# Altium PCB CFD_V1.03.PcbDoc (part 4 of 10) (continued)
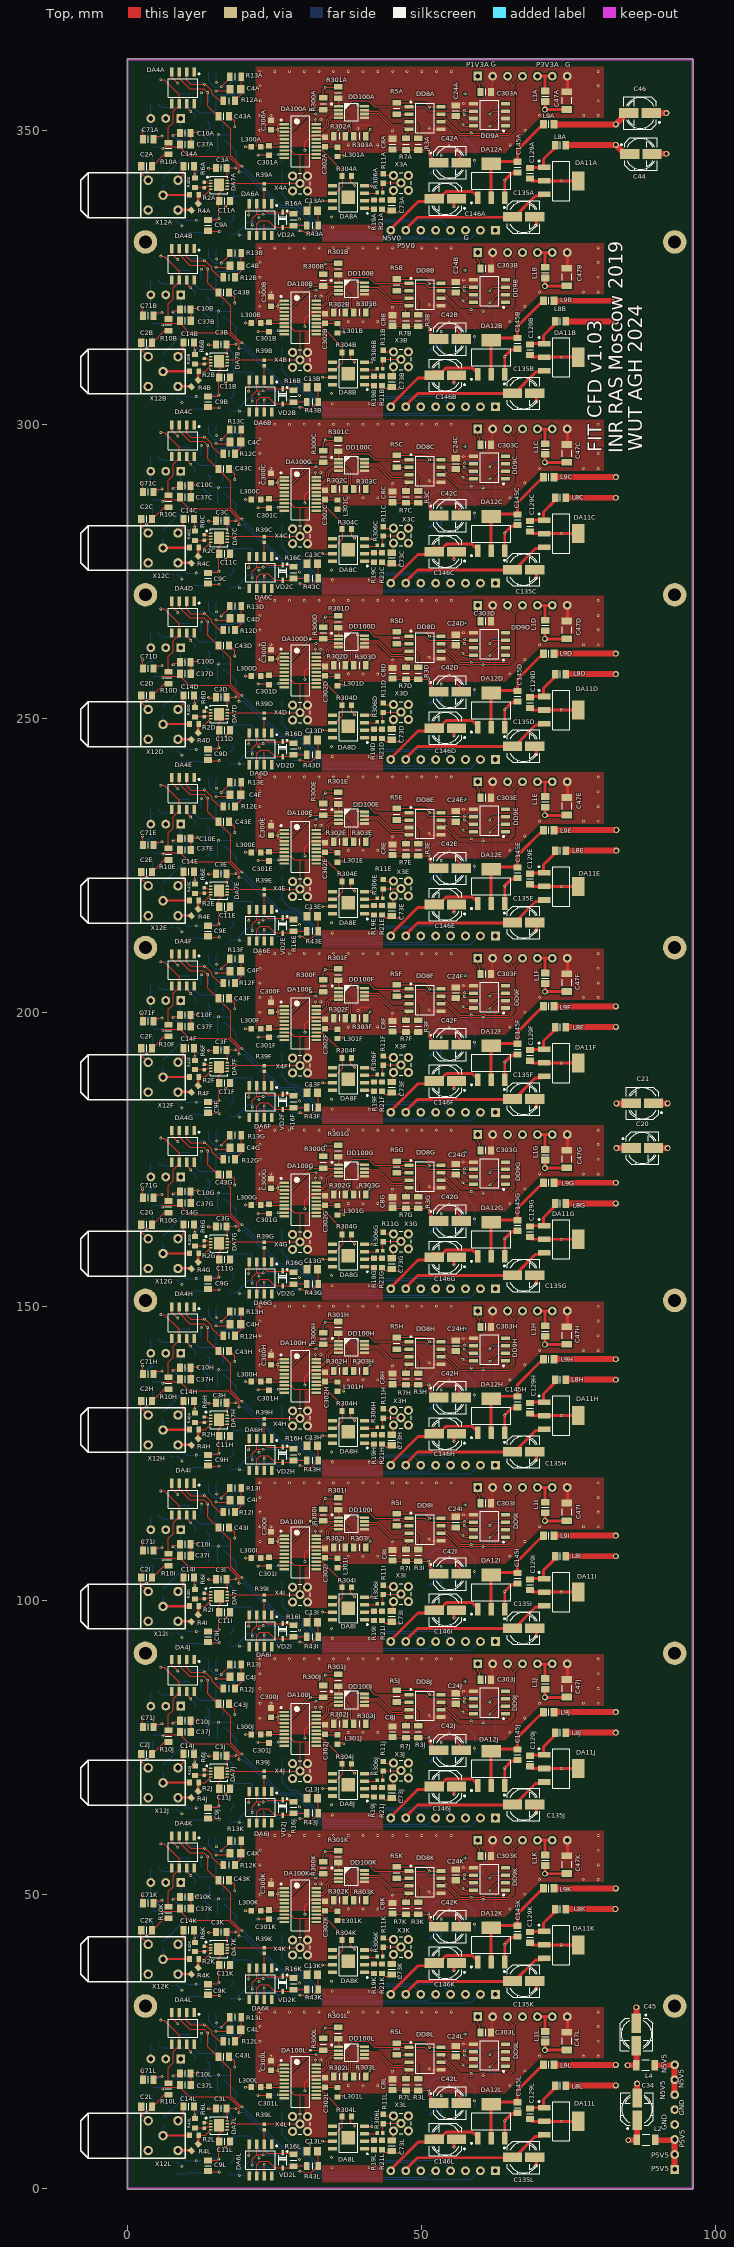
[diagram p0: Top view]
## Nets (pads, with @x,y where several pads share a name; then routed paths per layer and width w, separated by ;. In a path a pad name is that pad's centre, name@x,y a point inside that pad or via, vN(x,y) a via of type N, cw(c..) or ccw(c..) an arc to the next point about the centre after c; other vN are vias at no path point) (continued)
CFD_DELF_P: DA100F.19 DD100F.3 R303F.1 | length 10.9
  Top w0.2: DA100F.19@32.03,200.37 32.13,200.27 32.919,200.27 32.962,200.227 33.13,200.227 33.832,200.929 33.832,201.791 34.648,202.608 34.959,202.608 34.984,202.633 35.733,202.633 35.858,202.758 35.983,202.633 36.732,202.633 36.757,202.608 37.068,202.608 37.907,201.768 37.907,199.714 38.024,199.596 38.077,199.596 38.452,199.221 R303F.1@38.452,198.996
CFD_DELG_N: DA100G.18 DD100G.4 R302G.1 | length 10.3
  Top w0.2: DA100G.18@32.03,169.734 32.13,169.835 32.919,169.835 32.962,169.877 33.275,169.877 34.182,170.784 34.182,171.646 34.793,172.258 34.959,172.258 34.984,172.233 35.733,172.233 35.858,172.108 35.983,172.233 36.732,172.233 36.757,172.258 36.923,172.258 37.557,171.623 37.557,169.714 37.44,169.597 37.387,169.597 37.012,169.222 R302G.1@37.012,168.997
CFD_DELG_P: DA100G.19 DD100G.3 R303G.1 | length 10.9
  Top w0.2: DA100G.19@32.03,170.369 32.13,170.27 32.919,170.27 32.962,170.227 33.13,170.227 33.832,170.929 33.832,171.791 34.648,172.608 34.959,172.608 34.984,172.633 35.733,172.633 DD100G.3@35.858,172.758 35.983,172.633 36.732,172.633 36.757,172.608 37.068,172.608 37.907,171.768 37.907,169.714 38.024,169.596 38.077,169.596 38.452,169.221 R303G.1@38.452,168.996
CFD_DELH_N: DA100H.18 DD100H.4 R302H.1 | length 10.3
  Top w0.2: DA100H.18@32.03,139.735 32.13,139.835 32.919,139.835 32.962,139.877 33.275,139.877 34.182,140.784 34.182,141.646 34.793,142.258 34.959,142.258 34.984,142.233 35.733,142.233 35.858,142.108 35.983,142.233 36.732,142.233 36.757,142.258 36.923,142.258 37.557,141.623 37.557,139.714 37.44,139.597 37.387,139.597 37.012,139.222 R302H.1@37.012,138.997
CFD_DELH_P: DA100H.19 DD100H.3 R303H.1 | length 10.9
  Top w0.2: DA100H.19@32.03,140.37 32.13,140.27 32.919,140.27 32.962,140.227 33.13,140.227 33.832,140.929 33.832,141.791 34.648,142.608 34.959,142.608 34.984,142.633 35.733,142.633 DD100H.3@35.858,142.758 35.983,142.633 36.732,142.633 36.757,142.608 37.068,142.608 37.907,141.768 37.907,139.714 38.024,139.596 38.077,139.596 38.452,139.221 R303H.1@38.452,138.996
CFD_DELI_N: DA100I.18 DD100I.4 R302I.1 | length 10.3
  Top w0.2: DA100I.18@32.03,109.734 32.13,109.835 32.919,109.835 32.962,109.877 33.275,109.877 34.182,110.784 34.182,111.646 34.793,112.258 34.959,112.258 34.984,112.233 35.733,112.233 35.858,112.108 35.983,112.233 36.732,112.233 36.757,112.258 36.923,112.258 37.557,111.623 37.557,109.714 37.44,109.597 37.387,109.597 37.012,109.222 R302I.1@37.012,108.997
CFD_DELI_P: DA100I.19 DD100I.3 R303I.1 | length 10.9
  Top w0.2: DA100I.19@32.03,110.369 32.13,110.27 32.919,110.27 32.962,110.227 33.13,110.227 33.832,110.929 33.832,111.791 34.648,112.608 34.959,112.608 34.984,112.633 35.733,112.633 DD100I.3@35.858,112.758 35.983,112.633 36.732,112.633 36.757,112.608 37.068,112.608 37.907,111.768 37.907,109.714 38.024,109.596 38.077,109.596 38.452,109.221 R303I.1@38.452,108.996
CFD_DELJ_N: DA100J.18 DD100J.4 R302J.1 | length 10.3
  Top w0.2: DA100J.18@32.03,79.734 32.13,79.835 32.919,79.835 32.962,79.877 33.275,79.877 34.182,80.784 34.182,81.646 34.793,82.258 34.959,82.258 34.984,82.233 35.733,82.233 35.858,82.108 35.983,82.233 36.732,82.233 36.757,82.258 36.923,82.258 37.557,81.623 37.557,79.714 37.44,79.597 37.387,79.597 37.012,79.222 R302J.1@37.012,78.997
CFD_DELJ_P: DA100J.19 DD100J.3 R303J.1 | length 10.9
  Top w0.2: DA100J.19@32.03,80.369 32.13,80.27 32.919,80.27 32.962,80.227 33.13,80.227 33.832,80.929 33.832,81.791 34.648,82.608 34.959,82.608 34.984,82.633 35.733,82.633 DD100J.3@35.858,82.758 35.983,82.633 36.732,82.633 36.757,82.608 37.068,82.608 37.907,81.768 37.907,79.714 38.024,79.596 38.077,79.596 38.452,79.221 R303J.1@38.452,78.996
CFD_DELK_N: DA100K.18 DD100K.4 R302K.1 | length 10.3
  Top w0.2: DA100K.18@32.03,49.735 32.13,49.835 32.919,49.835 32.962,49.877 33.275,49.877 34.182,50.784 34.182,51.646 34.793,52.258 34.959,52.258 34.984,52.233 35.733,52.233 DD100K.4@35.858,52.108 35.983,52.233 36.732,52.233 36.757,52.258 36.923,52.258 37.557,51.623 37.557,49.714 37.44,49.597 37.387,49.597 37.012,49.222 R302K.1@37.012,48.997
CFD_DELK_P: DA100K.19 DD100K.3 R303K.1 | length 10.9
  Top w0.2: DA100K.19@32.03,50.37 32.13,50.27 32.919,50.27 32.962,50.227 33.13,50.227 33.832,50.929 33.832,51.791 34.648,52.608 34.959,52.608 34.984,52.633 35.733,52.633 DD100K.3@35.858,52.758 35.983,52.633 36.732,52.633 36.757,52.608 37.068,52.608 37.907,51.768 37.907,49.714 38.024,49.596 38.077,49.596 38.452,49.221 R303K.1@38.452,48.996
CFD_DELL_N: DA100L.18 DD100L.4 R302L.1 | length 10.3
  Top w0.2: DA100L.18@32.03,19.734 32.13,19.835 32.919,19.835 32.962,19.877 33.275,19.877 34.182,20.784 34.182,21.646 34.793,22.258 34.959,22.258 34.984,22.233 35.733,22.233 DD100L.4@35.858,22.108 35.983,22.233 36.732,22.233 36.757,22.258 36.923,22.258 37.557,21.623 37.557,19.714 37.44,19.597 37.387,19.597 37.012,19.222 R302L.1@37.012,18.997
CFD_DELL_P: DA100L.19 DD100L.3 R303L.1 | length 10.9
  Top w0.2: DA100L.19@32.03,20.369 32.13,20.27 32.919,20.27 32.962,20.227 33.13,20.227 33.832,20.929 33.832,21.791 34.648,22.608 34.959,22.608 34.984,22.633 35.733,22.633 DD100L.3@35.858,22.758 35.983,22.633 36.732,22.633 36.757,22.608 37.068,22.608 37.907,21.768 37.907,19.714 38.024,19.596 38.077,19.596 38.452,19.221 R303L.1@38.452,18.996
CFD_DLY_INA: R11A.2 R306A.1 X3A.1 | length 4.6
  Top w0.15: R306A.1@43.331,339.417 43.331,340.878 R11A.2@43.435,340.981 43.499,341.046 X3A.1@46.448,341.046
CFD_DLY_INB: R11B.2 R306B.1 X3B.1 | length 4.6
  Top w0.15: R306B.1@43.331,309.417 43.331,310.878 R11B.2@43.435,310.981 43.499,311.046 X3B.1@46.448,311.046
CFD_DLY_INC: R11C.2 R306C.1 X3C.1 | length 4.6
  Top w0.15: R306C.1@43.331,279.417 43.331,280.878 R11C.2@43.435,280.981 43.499,281.046 X3C.1@46.448,281.046
CFD_DLY_IND: R11D.2 R306D.1 X3D.1 | length 4.6
  Top w0.15: R306D.1@43.331,249.417 43.331,250.878 R11D.2@43.435,250.981 43.499,251.046 X3D.1@46.448,251.046
CFD_DLY_INE: R11E.2 R306E.1 X3E.1 | length 4.6
  Top w0.15: R306E.1@43.331,219.417 43.331,220.878 R11E.2@43.435,220.981 43.499,221.046 X3E.1@46.448,221.046
CFD_DLY_INF: R11F.2 R306F.1 X3F.1 | length 4.6
  Top w0.15: R306F.1@43.331,189.417 43.331,190.878 R11F.2@43.435,190.981 43.499,191.046 X3F.1@46.448,191.046
CFD_DLY_ING: R11G.2 R306G.1 X3G.1 | length 4.6
  Top w0.15: R306G.1@43.331,159.417 43.331,160.878 R11G.2@43.435,160.981 43.499,161.046 X3G.1@46.448,161.046
CFD_DLY_INH: R11H.2 R306H.1 X3H.1 | length 4.6
  Top w0.15: R306H.1@43.331,129.417 43.331,130.878 R11H.2@43.435,130.981 43.499,131.046 X3H.1@46.448,131.046
CFD_DLY_INI: R11I.2 R306I.1 X3I.1 | length 4.6
  Top w0.15: R306I.1@43.331,99.417 43.331,100.878 R11I.2@43.435,100.981 43.499,101.046 X3I.1@46.448,101.046
CFD_DLY_INJ: R11J.2 R306J.1 X3J.1 | length 4.6
  Top w0.15: R306J.1@43.331,69.417 43.331,70.878 R11J.2@43.435,70.981 43.499,71.046 X3J.1@46.448,71.046
CFD_DLY_INK: R11K.2 R306K.1 X3K.1 | length 4.6
  Top w0.15: R306K.1@43.331,39.417 43.331,40.878 R11K.2@43.435,40.981 43.499,41.046 X3K.1@46.448,41.046
CFD_DLY_INL: R11L.2 R306L.1 X3L.1 | length 4.6
  Top w0.15: R306L.1@43.331,9.417 43.331,10.878 R11L.2@43.435,10.981 43.499,11.046 X3L.1@46.448,11.046
CFD_OFFSETA: C73A.2 R21A.1 X5A.1 | length 21.5
  Top w0.2: R21A.1@43.207,336.825 43.257,336.825 43.607,336.475 R21A.1@43.607,336.425 ; R21A.1@43.235,336.551 43.285,336.551 43.739,336.098 44.882,336.098 44.924,336.056 v1(46.164,336.056)
  L3 w0.2: v1(46.164,336.056) 48.692,336.056 49.227,335.521 52.593,335.521 52.772,335.7 59.8,335.7 X5A.1@62.5,333
CFD_OFFSETB: C73B.2 R21B.1 X5B.1 | length 21.5
  Top w0.2: R21B.1@43.207,306.825 43.257,306.825 43.607,306.475 R21B.1@43.607,306.425 ; R21B.1@43.235,306.551 43.285,306.551 43.739,306.098 44.882,306.098 44.924,306.056 v1(46.164,306.056)
  L3 w0.2: v1(46.164,306.056) 48.692,306.056 49.227,305.521 52.593,305.521 52.772,305.7 59.8,305.7 X5B.1@62.5,303
CFD_OFFSETC: C73C.2 R21C.1 X5C.1 | length 21.5
  Top w0.2: R21C.1@43.206,276.825 43.256,276.825 43.606,276.475 R21C.1@43.606,276.425 ; R21C.1@43.235,276.551 43.285,276.551 43.738,276.098 44.882,276.098 44.924,276.056 v1(46.164,276.056)
  L3 w0.2: v1(46.164,276.056) 48.692,276.056 49.226,275.521 52.593,275.521 52.772,275.7 59.8,275.7 X5C.1@62.5,273
CFD_OFFSETD: C73D.2 R21D.1 X5D.1 | length 21.5
  Top w0.2: R21D.1@43.206,246.825 43.256,246.825 43.606,246.475 R21D.1@43.606,246.425 ; R21D.1@43.235,246.551 43.285,246.551 43.738,246.098 44.882,246.098 44.924,246.056 v1(46.164,246.056)
  L3 w0.2: v1(46.164,246.056) 48.692,246.056 49.226,245.521 52.593,245.521 52.772,245.7 59.8,245.7 X5D.1@62.5,243
CFD_OFFSETE: C73E.2 R21E.1 X5E.1 | length 21.5
  Top w0.2: R21E.1@43.206,216.825 43.256,216.825 43.606,216.475 R21E.1@43.606,216.425 ; R21E.1@43.235,216.551 43.285,216.551 43.738,216.098 44.882,216.098 44.924,216.056 v1(46.164,216.056)
  L3 w0.2: v1(46.164,216.056) 48.692,216.056 49.226,215.521 52.593,215.521 52.772,215.7 59.8,215.7 X5E.1@62.5,213
CFD_OFFSETF: C73F.2 R21F.1 X5F.1 | length 21.5
  Top w0.2: R21F.1@43.206,186.825 43.256,186.825 43.606,186.475 R21F.1@43.606,186.425 ; R21F.1@43.235,186.551 43.285,186.551 43.738,186.098 44.882,186.098 44.924,186.056 v1(46.164,186.056)
  L3 w0.2: v1(46.164,186.056) 48.692,186.056 49.226,185.521 52.593,185.521 52.772,185.7 59.8,185.7 X5F.1@62.5,183
CFD_OFFSETG: C73G.2 R21G.1 X5G.1 | length 21.5
  Top w0.2: R21G.1@43.206,156.825 43.256,156.825 43.606,156.475 R21G.1@43.606,156.425 ; R21G.1@43.235,156.551 43.285,156.551 43.738,156.098 44.882,156.098 44.924,156.056 v1(46.164,156.056)
  L3 w0.2: v1(46.164,156.056) 48.692,156.056 49.226,155.521 52.593,155.521 52.772,155.7 59.8,155.7 X5G.1@62.5,153
CFD_OFFSETH: C73H.2 R21H.1 X5H.1 | length 21.5
  Top w0.2: R21H.1@43.206,126.825 43.256,126.825 43.606,126.475 R21H.1@43.606,126.425 ; R21H.1@43.235,126.551 43.285,126.551 43.738,126.098 44.882,126.098 44.924,126.056 v1(46.164,126.056)
  L3 w0.2: v1(46.164,126.056) 48.692,126.056 49.226,125.521 52.593,125.521 52.772,125.7 59.8,125.7 X5H.1@62.5,123
CFD_OFFSETI: C73I.2 R21I.1 X5I.1 | length 21.5
  Top w0.2: R21I.1@43.206,96.825 43.256,96.825 43.606,96.475 R21I.1@43.606,96.425 ; R21I.1@43.235,96.551 43.285,96.551 43.738,96.098 44.882,96.098 44.924,96.056 v1(46.164,96.056)
  L3 w0.2: v1(46.164,96.056) 48.692,96.056 49.226,95.521 52.593,95.521 52.772,95.7 59.8,95.7 X5I.1@62.5,93
CFD_OFFSETJ: C73J.2 R21J.1 X5J.1 | length 21.5
  Top w0.2: R21J.1@43.206,66.825 43.256,66.825 43.606,66.475 R21J.1@43.606,66.425 ; R21J.1@43.235,66.551 43.285,66.551 43.738,66.098 44.882,66.098 44.924,66.056 v1(46.164,66.056)
  L3 w0.2: v1(46.164,66.056) 48.692,66.056 49.226,65.521 52.593,65.521 52.772,65.7 59.8,65.7 X5J.1@62.5,63
CFD_OFFSETK: C73K.2 R21K.1 X5K.1 | length 21.5
  Top w0.2: R21K.1@43.206,36.825 43.256,36.825 43.606,36.475 R21K.1@43.606,36.425 ; R21K.1@43.235,36.551 43.285,36.551 43.738,36.098 44.882,36.098 44.924,36.056 v1(46.164,36.056)
  L3 w0.2: v1(46.164,36.056) 48.692,36.056 49.226,35.521 52.593,35.521 52.772,35.7 59.8,35.7 X5K.1@62.5,33
CFD_OFFSETL: C73L.2 R21L.1 X5L.1 | length 21.5
  Top w0.2: R21L.1@43.206,6.825 43.256,6.825 43.606,6.475 R21L.1@43.606,6.425 ; R21L.1@43.235,6.551 43.285,6.551 43.738,6.098 44.882,6.098 44.924,6.056 v1(46.164,6.056)
  L3 w0.2: v1(46.164,6.056) 48.692,6.056 49.226,5.521 52.593,5.521 52.772,5.7 59.8,5.7 X5L.1@62.5,3
CFD_OUTA_N: DD8A.6 R18A.1 X13A.4 | length 25.7
  Top w0.2: DD8A.6@53.015,351.416 54.016,351.416 56.268,349.164 58.057,349.164 58.197,349.024 58.603,349.024 58.743,349.164 v1(60.4,349.164) 64.759,349.164 65.75,350.155 65.75,357.83 X13A.4@67.12,359.2
  Bot w0.2: v1(60.4,349.164) 60.4,347.322 R18A.1@60.463,347.259
CFD_OUTA_P: DD8A.7 R44A.1 X13A.3 | length 24.6
  Top w0.2: DD8A.7@53.23,352.695 53.513,352.695 53.713,352.495 53.713,352.212 53.998,351.927 54.089,351.927 54.207,351.809 54.207,351.718 56.411,349.514 v1(58.4,349.514) 60.057,349.514 60.197,349.654 60.603,349.654 60.743,349.514 64.614,349.514 65.4,350.3 65.4,357.8 64.58,358.62 X13A.3@64.58,359.2
  Bot w0.2: v1(58.4,349.514) 58.781,349.133 R44A.1@59.431,349.133
CFD_OUTB_N: DD8B.6 R18B.1 X13B.4 | length 25.7
  Top w0.2: DD8B.6@53.015,321.416 54.016,321.416 56.268,319.164 58.057,319.164 58.197,319.024 58.603,319.024 58.743,319.164 v1(60.4,319.164) 64.759,319.164 65.75,320.155 65.75,327.83 X13B.4@67.12,329.2
  Bot w0.2: v1(60.4,319.164) 60.4,317.322 R18B.1@60.463,317.259
CFD_OUTB_P: DD8B.7 R44B.1 X13B.3 | length 24.6
  Top w0.2: DD8B.7@53.23,322.695 53.513,322.695 53.713,322.495 53.713,322.212 53.998,321.927 54.089,321.927 54.207,321.809 54.207,321.718 56.411,319.514 v1(58.4,319.514) 60.057,319.514 60.197,319.654 60.603,319.654 60.743,319.514 64.614,319.514 65.4,320.3 65.4,327.8 64.58,328.62 X13B.3@64.58,329.2
  Bot w0.2: v1(58.4,319.514) 58.781,319.133 R44B.1@59.431,319.133
CFD_OUTC_N: DD8C.6 R18C.1 X13C.4 | length 25.7
  Top w0.2: DD8C.6@53.015,291.416 54.016,291.416 56.268,289.164 58.057,289.164 58.197,289.024 58.603,289.024 58.743,289.164 v1(60.4,289.164) 64.759,289.164 65.75,290.155 65.75,297.83 X13C.4@67.12,299.2
  Bot w0.2: v1(60.4,289.164) 60.4,287.322 R18C.1@60.463,287.259
CFD_OUTC_P: DD8C.7 R44C.1 X13C.3 | length 24.6
  Top w0.2: DD8C.7@53.23,292.695 53.513,292.695 53.713,292.495 53.713,292.212 53.998,291.927 54.089,291.927 54.207,291.809 54.207,291.718 56.411,289.514 v1(58.4,289.514) 60.057,289.514 60.197,289.654 60.603,289.654 60.743,289.514 64.614,289.514 65.4,290.3 65.4,297.8 64.58,298.62 X13C.3@64.58,299.2
  Bot w0.2: v1(58.4,289.514) 58.781,289.133 R44C.1@59.431,289.133
CFD_OUTD_N: DD8D.6 R18D.1 X13D.4 | length 25.7
  Top w0.2: DD8D.6@53.015,261.416 54.016,261.416 56.268,259.164 58.057,259.164 58.197,259.024 58.603,259.024 58.743,259.164 v1(60.4,259.164) 64.759,259.164 65.75,260.155 65.75,267.83 X13D.4@67.12,269.2
  Bot w0.2: v1(60.4,259.164) 60.4,257.322 R18D.1@60.463,257.259
CFD_OUTD_P: DD8D.7 R44D.1 X13D.3 | length 24.6
  Top w0.2: DD8D.7@53.23,262.695 53.513,262.695 53.713,262.495 53.713,262.212 53.998,261.927 54.089,261.927 54.207,261.809 54.207,261.718 56.411,259.514 v1(58.4,259.514) 60.057,259.514 60.197,259.654 60.603,259.654 60.743,259.514 64.614,259.514 65.4,260.3 65.4,267.8 64.58,268.62 X13D.3@64.58,269.2
  Bot w0.2: v1(58.4,259.514) 58.781,259.133 R44D.1@59.431,259.133
CFD_OUTE_N: DD8E.6 R18E.1 X13E.4 | length 25.7
  Top w0.2: DD8E.6@53.015,231.416 54.016,231.416 56.268,229.164 58.057,229.164 58.197,229.024 58.603,229.024 58.743,229.164 v1(60.4,229.164) 64.759,229.164 65.75,230.155 65.75,237.83 X13E.4@67.12,239.2
  Bot w0.2: v1(60.4,229.164) 60.4,227.322 R18E.1@60.463,227.259
CFD_OUTE_P: DD8E.7 R44E.1 X13E.3 | length 24.6
  Top w0.2: DD8E.7@53.23,232.695 53.513,232.695 53.713,232.495 53.713,232.212 53.998,231.927 54.089,231.927 54.207,231.809 54.207,231.719 56.411,229.514 v1(58.4,229.514) 60.057,229.514 60.197,229.654 60.603,229.654 60.743,229.514 64.614,229.514 65.4,230.3 65.4,237.8 64.58,238.62 X13E.3@64.58,239.2
  Bot w0.2: v1(58.4,229.514) 58.781,229.133 R44E.1@59.431,229.133
CFD_OUTF_N: DD8F.6 R18F.1 X13F.4 | length 25.7
  Top w0.2: DD8F.6@53.015,201.416 54.016,201.416 56.268,199.164 58.057,199.164 58.197,199.024 58.603,199.024 58.743,199.164 v1(60.4,199.164) 64.759,199.164 65.75,200.155 65.75,207.83 X13F.4@67.12,209.2
  Bot w0.2: v1(60.4,199.164) 60.4,197.322 R18F.1@60.463,197.259
CFD_OUTF_P: DD8F.7 R44F.1 X13F.3 | length 24.6
  Top w0.2: DD8F.7@53.23,202.695 53.513,202.695 53.713,202.495 53.713,202.212 53.998,201.927 54.089,201.927 54.207,201.809 54.207,201.719 56.411,199.514 v1(58.4,199.514) 60.057,199.514 60.197,199.654 60.603,199.654 60.743,199.514 64.614,199.514 65.4,200.3 65.4,207.8 64.58,208.62 X13F.3@64.58,209.2
  Bot w0.2: v1(58.4,199.514) 58.781,199.133 R44F.1@59.431,199.133
CFD_OUTG_N: DD8G.6 R18G.1 X13G.4 | length 25.7
  Top w0.2: DD8G.6@53.015,171.416 54.016,171.416 56.268,169.164 58.057,169.164 58.197,169.024 58.603,169.024 58.743,169.164 v1(60.4,169.164) 64.759,169.164 65.75,170.155 65.75,177.83 X13G.4@67.12,179.2
  Bot w0.2: v1(60.4,169.164) 60.4,167.322 R18G.1@60.463,167.259
CFD_OUTG_P: DD8G.7 R44G.1 X13G.3 | length 24.6
  Top w0.2: DD8G.7@53.23,172.695 53.513,172.695 53.713,172.495 53.713,172.212 53.998,171.927 54.089,171.927 54.207,171.809 54.207,171.719 56.411,169.514 v1(58.4,169.514) 60.057,169.514 60.197,169.654 60.603,169.654 60.743,169.514 64.614,169.514 65.4,170.3 65.4,177.8 64.58,178.62 X13G.3@64.58,179.2
  Bot w0.2: v1(58.4,169.514) 58.781,169.133 R44G.1@59.431,169.133
CFD_OUTH_N: DD8H.6 R18H.1 X13H.4 | length 25.7
  Top w0.2: DD8H.6@53.015,141.416 54.016,141.416 56.268,139.164 58.057,139.164 58.197,139.024 58.603,139.024 58.743,139.164 v1(60.4,139.164) 64.759,139.164 65.75,140.155 65.75,147.83 X13H.4@67.12,149.2
  Bot w0.2: v1(60.4,139.164) 60.4,137.322 R18H.1@60.463,137.259
CFD_OUTH_P: DD8H.7 R44H.1 X13H.3 | length 24.6
  Top w0.2: DD8H.7@53.23,142.695 53.513,142.695 53.713,142.495 53.713,142.212 53.998,141.927 54.089,141.927 54.207,141.809 54.207,141.719 56.411,139.514 v1(58.4,139.514) 60.057,139.514 60.197,139.654 60.603,139.654 60.743,139.514 64.614,139.514 65.4,140.3 65.4,147.8 64.58,148.62 X13H.3@64.58,149.2
  Bot w0.2: v1(58.4,139.514) 58.781,139.133 R44H.1@59.431,139.133
CFD_OUTI_N: DD8I.6 R18I.1 X13I.4 | length 25.7
  Top w0.2: DD8I.6@53.015,111.416 54.016,111.416 56.268,109.164 58.057,109.164 58.197,109.024 58.603,109.024 58.743,109.164 v1(60.4,109.164) 64.759,109.164 65.75,110.155 65.75,117.83 X13I.4@67.12,119.2
  Bot w0.2: v1(60.4,109.164) 60.4,107.322 R18I.1@60.463,107.259
CFD_OUTI_P: DD8I.7 R44I.1 X13I.3 | length 24.6
  Top w0.2: DD8I.7@53.23,112.695 53.513,112.695 53.713,112.495 53.713,112.212 53.998,111.927 54.089,111.927 54.207,111.809 54.207,111.719 56.411,109.514 v1(58.4,109.514) 60.057,109.514 60.197,109.654 60.603,109.654 60.743,109.514 64.614,109.514 65.4,110.3 65.4,117.8 64.58,118.62 X13I.3@64.58,119.2
  Bot w0.2: v1(58.4,109.514) 58.781,109.133 R44I.1@59.431,109.133
CFD_OUTJ_N: DD8J.6 R18J.1 X13J.4 | length 25.7
  Top w0.2: DD8J.6@53.015,81.416 54.016,81.416 56.268,79.164 58.057,79.164 58.197,79.024 58.603,79.024 58.743,79.164 v1(60.4,79.164) 64.759,79.164 65.75,80.155 65.75,87.83 X13J.4@67.12,89.2
  Bot w0.2: v1(60.4,79.164) 60.4,77.322 R18J.1@60.463,77.259
CFD_OUTJ_P: DD8J.7 R44J.1 X13J.3 | length 24.6
  Top w0.2: DD8J.7@53.23,82.695 53.513,82.695 53.713,82.495 53.713,82.212 53.998,81.927 54.089,81.927 54.207,81.809 54.207,81.719 56.411,79.514 v1(58.4,79.514) 60.057,79.514 60.197,79.654 60.603,79.654 60.743,79.514 64.614,79.514 65.4,80.3 65.4,87.8 64.58,88.62 X13J.3@64.58,89.2
  Bot w0.2: v1(58.4,79.514) 58.781,79.133 R44J.1@59.431,79.133
CFD_OUTK_N: DD8K.6 R18K.1 X13K.4 | length 25.7
  Top w0.2: DD8K.6@53.015,51.416 54.016,51.416 56.268,49.164 58.057,49.164 58.197,49.024 58.603,49.024 58.743,49.164 v1(60.4,49.164) 64.759,49.164 65.75,50.155 65.75,57.83 X13K.4@67.12,59.2
  Bot w0.2: v1(60.4,49.164) 60.4,47.322 R18K.1@60.463,47.259
CFD_OUTK_P: DD8K.7 R44K.1 X13K.3 | length 24.6
  Top w0.2: DD8K.7@53.23,52.695 53.513,52.695 53.713,52.495 53.713,52.212 53.998,51.927 54.089,51.927 54.207,51.809 54.207,51.719 56.411,49.514 v1(58.4,49.514) 60.057,49.514 60.197,49.654 60.603,49.654 60.743,49.514 64.614,49.514 65.4,50.3 65.4,57.8 64.58,58.62 X13K.3@64.58,59.2
  Bot w0.2: v1(58.4,49.514) 58.781,49.133 R44K.1@59.431,49.133
CFD_OUTL_N: DD8L.6 R18L.1 X13L.4 | length 25.7
  Top w0.2: DD8L.6@53.015,21.416 54.016,21.416 56.268,19.164 58.057,19.164 58.197,19.024 58.603,19.024 58.743,19.164 v1(60.4,19.164) 64.759,19.164 65.75,20.155 65.75,27.83 X13L.4@67.12,29.2
  Bot w0.2: v1(60.4,19.164) 60.4,17.322 R18L.1@60.463,17.259
CFD_OUTL_P: DD8L.7 R44L.1 X13L.3 | length 24.6
  Top w0.2: DD8L.7@53.23,22.695 53.513,22.695 53.713,22.495 53.713,22.212 53.998,21.927 54.089,21.927 54.207,21.809 54.207,21.718 56.411,19.514 v1(58.4,19.514) 60.057,19.514 60.197,19.654 60.603,19.654 60.743,19.514 64.614,19.514 65.4,20.3 65.4,27.8 64.58,28.62 X13L.3@64.58,29.2
  Bot w0.2: v1(58.4,19.514) 58.781,19.133 R44L.1@59.431,19.133
CFD_RISINGA_N: DA100A.3 R400A.1 | length 8
  Top w0.2: DA100A.3@26.83,349.735 27.824,349.735 30.866,352.777 v1(32.007,352.777)
  Bot w0.2: v1(32.007,352.777) 32.069,352.777 32.792,353.5 R400A.1@33.23,353.5
CFD_RISINGA_P: DA100A.2 DD100A.2 pad.1@31.03,353.5 R300A.1 | length 10.5
  Top w0.2: DA100A.2@26.83,350.37 27.9,350.37 pad.1@31.03,353.5 31.045,353.485 33.23,353.485 36.015,353.485 DD100A.2@36.03,353.47
CFD_RISINGB_N: DA100B.3 R400B.1 | length 8
  Top w0.2: DA100B.3@26.83,319.735 27.824,319.735 30.866,322.777 v1(32.007,322.777)
  Bot w0.2: v1(32.007,322.777) 32.069,322.777 32.792,323.5 R400B.1@33.23,323.5
CFD_RISINGB_P: DA100B.2 DD100B.2 pad.1@31.045,323.485 R300B.1 | length 10.5
  Top w0.2: DA100B.2@26.83,320.37 27.9,320.37 31.03,323.5 pad.1@31.045,323.485 33.23,323.485 36.015,323.485 DD100B.2@36.03,323.47
CFD_RISINGC_N: DA100C.3 R400C.1 | length 8
  Top w0.2: DA100C.3@26.83,289.735 27.824,289.735 30.866,292.777 v1(32.007,292.777)
  Bot w0.2: v1(32.007,292.777) 32.069,292.777 32.792,293.5 R400C.1@33.23,293.5
CFD_RISINGC_P: DA100C.2 DD100C.2 pad.1@31.045,293.485 R300C.1 | length 10.5
  Top w0.2: DA100C.2@26.83,290.37 27.9,290.37 31.03,293.5 pad.1@31.045,293.485 33.23,293.485 36.015,293.485 DD100C.2@36.03,293.47
CFD_RISINGD_N: DA100D.3 R400D.1 | length 8
  Top w0.2: DA100D.3@26.82,259.671 27.814,259.671 30.856,262.713 v1(31.997,262.713)
  Bot w0.2: v1(31.997,262.713) 32.059,262.713 32.782,263.436 R400D.1@33.22,263.436
CFD_RISINGD_P: DA100D.2 DD100D.2 pad.1@31.03,263.5 R300D.1 | length 10.5
  Top w0.2: DA100D.2@26.82,260.306 27.89,260.306 31.02,263.436 31.035,263.421 33.22,263.421 36.005,263.421 DD100D.2@36.02,263.406
CFD_RISINGE_N: DA100E.3 R400E.1 | length 8
  Top w0.2: DA100E.3@26.83,229.735 27.824,229.735 30.866,232.777 v1(32.007,232.777)
  Bot w0.2: v1(32.007,232.777) 32.069,232.777 32.792,233.5 R400E.1@33.23,233.5
CFD_RISINGE_P: DA100E.2 DD100E.2 pad.1@31.045,233.485 R300E.1 | length 10.5
  Top w0.2: DA100E.2@26.83,230.37 27.9,230.37 31.03,233.5 pad.1@31.045,233.485 33.23,233.485 36.015,233.485 DD100E.2@36.03,233.47
CFD_RISINGF_N: DA100F.3 R400F.1 | length 8
  Top w0.2: DA100F.3@26.83,199.735 27.824,199.735 30.866,202.777 v1(32.007,202.777)
  Bot w0.2: v1(32.007,202.777) 32.069,202.777 32.792,203.5 R400F.1@33.23,203.5
CFD_RISINGF_P: DA100F.2 DD100F.2 pad.1@31.045,203.485 R300F.1 | length 10.5
  Top w0.2: DA100F.2@26.83,200.37 27.9,200.37 31.03,203.5 pad.1@31.045,203.485 33.23,203.485 36.015,203.485 DD100F.2@36.03,203.47
CFD_RISINGG_N: DA100G.3 R400G.1 | length 8
  Top w0.2: DA100G.3@26.83,169.735 27.824,169.735 30.866,172.777 v1(32.007,172.777)
  Bot w0.2: v1(32.007,172.777) 32.069,172.777 32.792,173.5 R400G.1@33.23,173.5
CFD_RISINGG_P: DA100G.2 DD100G.2 pad.1@31.045,173.485 R300G.1 | length 10.5
  Top w0.2: DA100G.2@26.83,170.37 27.9,170.37 31.03,173.5 pad.1@31.045,173.485 33.23,173.485 36.015,173.485 DD100G.2@36.03,173.47
CFD_RISINGH_N: DA100H.3 R400H.1 | length 8
  Top w0.2: DA100H.3@26.83,139.735 27.824,139.735 30.866,142.777 v1(32.007,142.777)
  Bot w0.2: v1(32.007,142.777) 32.069,142.777 32.792,143.5 R400H.1@33.23,143.5
CFD_RISINGH_P: DA100H.2 DD100H.2 pad.1@31.03,143.5 R300H.1 | length 10.5
  Top w0.2: DA100H.2@26.83,140.37 27.9,140.37 pad.1@31.03,143.5 31.045,143.485 33.23,143.485 36.015,143.485 DD100H.2@36.03,143.47
CFD_RISINGI_N: DA100I.3 R400I.1 | length 8
  Top w0.2: DA100I.3@26.83,109.735 27.824,109.735 30.866,112.777 v1(32.007,112.777)
  Bot w0.2: v1(32.007,112.777) 32.069,112.777 32.792,113.5 R400I.1@33.23,113.5
CFD_RISINGI_P: DA100I.2 DD100I.2 pad.1@31.045,113.485 R300I.1 | length 10.5
  Top w0.2: DA100I.2@26.83,110.37 27.9,110.37 31.03,113.5 pad.1@31.045,113.485 33.23,113.485 36.015,113.485 DD100I.2@36.03,113.47
CFD_RISINGJ_N: DA100J.3 R400J.1 | length 8
  Top w0.2: DA100J.3@26.83,79.735 27.824,79.735 30.866,82.777 v1(32.007,82.777)
  Bot w0.2: v1(32.007,82.777) 32.069,82.777 32.792,83.5 R400J.1@33.23,83.5
CFD_RISINGJ_P: DA100J.2 DD100J.2 pad.1@31.045,83.485 R300J.1 | length 10.5
  Top w0.2: DA100J.2@26.83,80.37 27.9,80.37 31.03,83.5 pad.1@31.045,83.485 33.23,83.485 36.015,83.485 DD100J.2@36.03,83.47
CFD_RISINGK_N: DA100K.3 R400K.1 | length 8
  Top w0.2: DA100K.3@26.83,49.735 27.824,49.735 30.866,52.777 v1(32.007,52.777)
  Bot w0.2: v1(32.007,52.777) 32.069,52.777 32.792,53.5 R400K.1@33.23,53.5
CFD_RISINGK_P: DA100K.2 DD100K.2 pad.1@31.03,53.5 R300K.1 | length 10.5
  Top w0.2: DA100K.2@26.83,50.37 27.9,50.37 pad.1@31.03,53.5 31.045,53.485 33.23,53.485 36.015,53.485 DD100K.2@36.03,53.47
CFD_RISINGL_N: DA100L.3 R400L.1 | length 8
  Top w0.2: DA100L.3@26.83,19.735 27.824,19.735 30.866,22.777 v1(32.007,22.777)
  Bot w0.2: v1(32.007,22.777) 32.069,22.777 32.792,23.5 R400L.1@33.23,23.5
CFD_RISINGL_P: DA100L.2 DD100L.2 pad.1@31.045,23.485 R300L.1 | length 10.5
  Top w0.2: DA100L.2@26.83,20.37 27.9,20.37 31.03,23.5 pad.1@31.045,23.485 33.23,23.485 36.015,23.485 DD100L.2@36.03,23.47
DA5_OUTA: DA5A.6 R13A.1 R17A.2 VD1A.2 | length 10.6
  Top w0.2: v1(15.9,357.4) 17.3,358.8 R13A.1@17.3,359.1
  Bot w0.2: DA5A.6@13.8,359.7 13.8,358.38 14.78,357.4 v1(15.9,357.4) 16.9,357.4 18,358.5 19.5,358.5 R17A.2@19.8,358.2
DA5_OUTB: DA5B.6 R13B.1 R17B.2 VD1B.2 | length 10.6
  Top w0.2: v1(15.9,327.4) 17.3,328.8 R13B.1@17.3,329.1
  Bot w0.2: DA5B.6@13.8,329.7 13.8,328.38 14.78,327.4 v1(15.9,327.4) 16.9,327.4 18,328.5 19.5,328.5 R17B.2@19.8,328.2
DA5_OUTC: DA5C.6 R13C.1 R17C.2 VD1C.2 | length 10.6
  Top w0.2: v1(15.9,297.4) 17.3,298.8 R13C.1@17.3,299.1
  Bot w0.2: DA5C.6@13.8,299.7 13.8,298.38 14.78,297.4 v1(15.9,297.4) 16.9,297.4 18,298.5 19.5,298.5 R17C.2@19.8,298.2
DA5_OUTD: DA5D.6 R13D.1 R17D.2 VD1D.2 | length 10.6
  Top w0.2: v1(15.9,267.4) 17.3,268.8 R13D.1@17.3,269.1
  Bot w0.2: DA5D.6@13.8,269.7 13.8,268.38 14.78,267.4 v1(15.9,267.4) 16.9,267.4 18,268.5 19.5,268.5 R17D.2@19.8,268.2
DA5_OUTE: DA5E.6 R13E.1 R17E.2 VD1E.2 | length 10.6
  Top w0.2: v1(15.9,237.4) 17.3,238.8 R13E.1@17.3,239.1
  Bot w0.2: DA5E.6@13.8,239.7 13.8,238.38 14.78,237.4 v1(15.9,237.4) 16.9,237.4 18,238.5 19.5,238.5 R17E.2@19.8,238.2
DA5_OUTF: DA5F.6 R13F.1 R17F.2 VD1F.2 | length 10.6
  Top w0.2: v1(15.9,207.4) 17.3,208.8 R13F.1@17.3,209.1
  Bot w0.2: DA5F.6@13.8,209.7 13.8,208.38 14.78,207.4 v1(15.9,207.4) 16.9,207.4 18,208.5 19.5,208.5 R17F.2@19.8,208.2